# Altium PCB RockerBox_Rev04.PcbDoc (part 7 of 9) (continued)
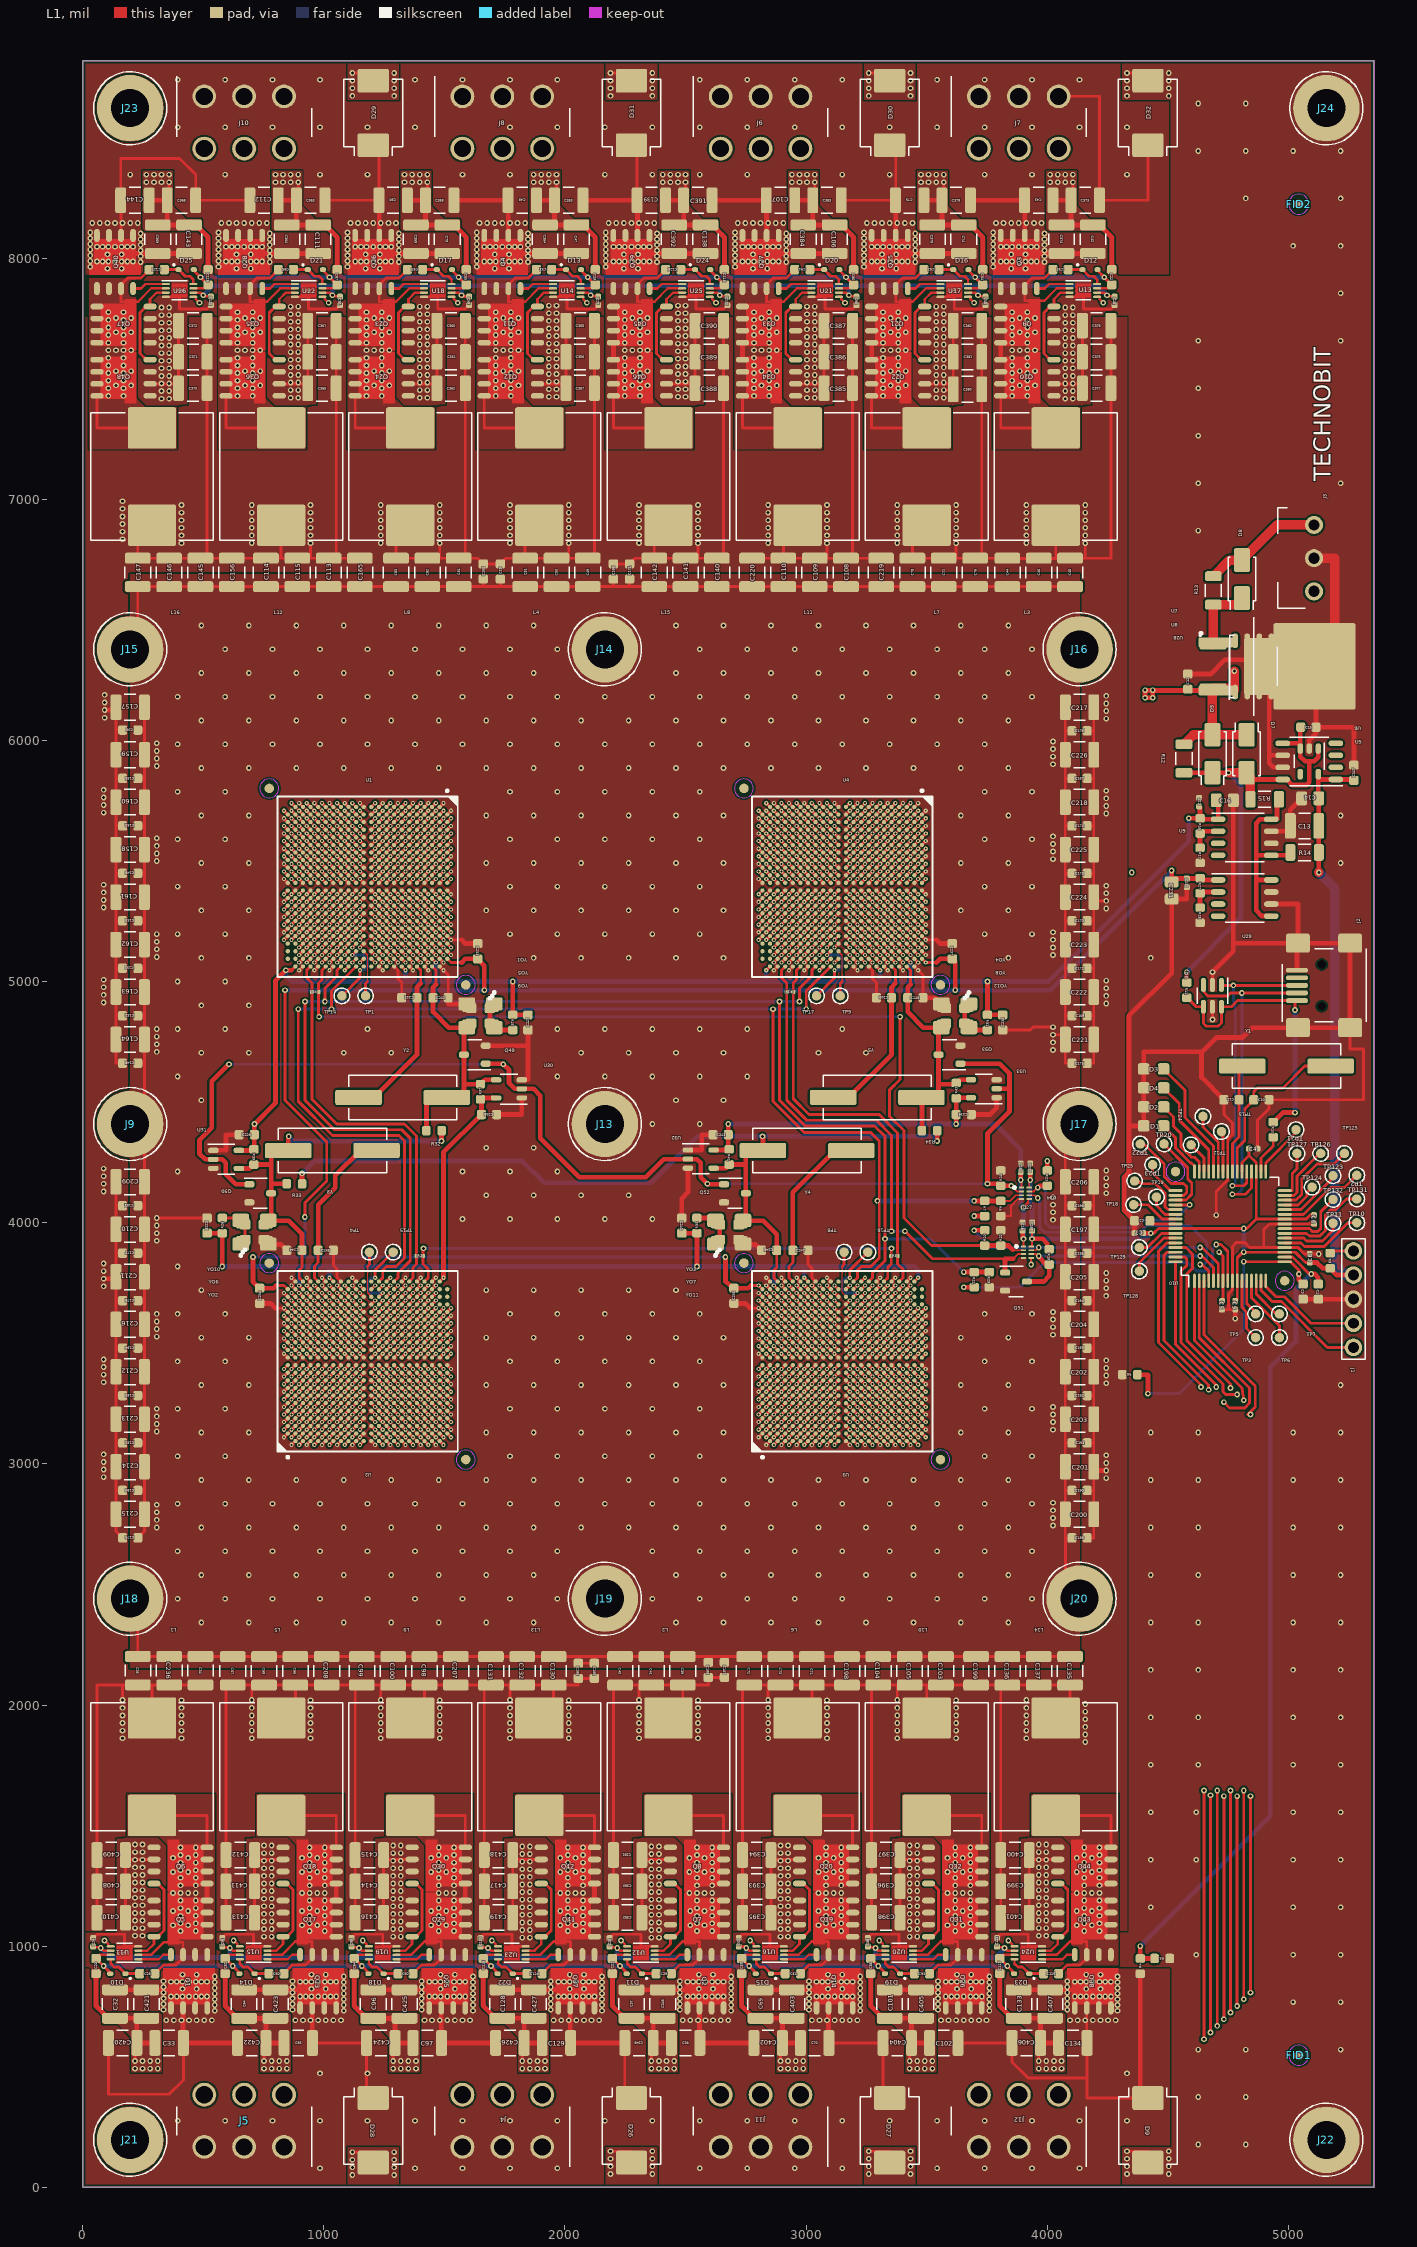
[diagram p0: L1 view]
## Nets (pads, with @x,y where several pads share a name; then routed paths per layer and width w, separated by ;. In a path a pad name is that pad's centre, name@x,y a point inside that pad or via, vN(x,y) a via of type N, cw(c..) or ccw(c..) an arc to the next point about the centre after c; other vN are vias at no path point) (continued)
GREEN: D2.2 U10.47 | length 336.6
  L1 w11.81: D2.2@4482.28,4480.31 4523.62,4438.98 4523.62,4400.22 4555.12,4368.73 4555.12,4314.96 4598.43,4271.65 4610.24,4271.65 4630.22,4251.67 U10.47@4630.22,4211.93
HO1: Q1.4 U11.1 | length 143.4
  L1 w9.84: U11.1@230.31,945.87 314.96,945.87 333.66,964.57
  L1 w11.81: 333.66,964.57 Q1.4@365.96,964.57
HO2: Q13.4 U15.1 | length 143.4
  L1 w9.84: U15.1@765.75,945.87 850.39,945.87 869.09,964.57
  L1 w11.81: 869.09,964.57 Q13.4@901.39,964.57
HO3: Q25.4 U19.1 | length 143.4
  L1 w9.84: U19.1@1301.18,945.87 1385.83,945.87 1404.53,964.57
  L1 w11.81: 1404.53,964.57 Q25.4@1436.83,964.57
HO4: Q37.4 U23.1 | length 143.4
  L1 w9.84: U23.1@1836.61,945.87 1921.26,945.87 1939.96,964.57
  L1 w11.81: 1939.96,964.57 Q37.4@1972.26,964.57
HO5: Q2.4 U12.1 | length 143.4
  L1 w9.84: U12.1@2372.05,945.87 2456.69,945.87 2475.39,964.57
  L1 w11.81: 2475.39,964.57 Q2.4@2507.69,964.57
HO6: Q14.4 U16.1 | length 143.4
  L1 w9.84: U16.1@2907.48,945.87 2992.13,945.87 3010.83,964.57
  L1 w11.81: 3010.83,964.57 Q14.4@3043.13,964.57
HO7: Q26.4 U20.1 | length 143.4
  L1 w9.84: U20.1@3442.91,945.87 3527.56,945.87 3546.26,964.57
  L1 w11.81: 3546.26,964.57 Q26.4@3578.56,964.57
HO8: Q38.4 U24.1 | length 143.4
  L1 w9.84: U24.1@3978.35,945.87 4062.99,945.87 4081.69,964.57
  L1 w11.81: 4081.69,964.57 Q38.4@4113.99,964.57
HO9: Q3.4 U13.1 | length 143.4
  L1 w9.84: 3989.17,7874.02 4007.87,7892.72 U13.1@4092.52,7892.72
  L1 w11.81: Q3.4@3956.87,7874.02 3989.17,7874.02
HO10: Q15.4 U17.1 | length 143.4
  L1 w9.84: 3453.74,7874.02 3472.44,7892.72 U17.1@3557.09,7892.72
  L1 w11.81: Q15.4@3421.44,7874.02 3453.74,7874.02
HO11: Q27.4 U21.1 | length 143.4
  L1 w9.84: 2918.31,7874.02 2937.01,7892.72 U21.1@3021.65,7892.72
  L1 w11.81: Q27.4@2886.01,7874.02 2918.31,7874.02
HO12: Q39.4 U25.1 | length 143.4
  L1 w9.84: 2382.87,7874.02 2401.57,7892.72 U25.1@2486.22,7892.72
  L1 w11.81: Q39.4@2350.57,7874.02 2382.87,7874.02
HO13: Q4.4 U14.1 | length 143.4
  L1 w9.84: 1847.44,7874.02 1866.14,7892.72 U14.1@1950.79,7892.72
  L1 w11.81: Q4.4@1815.14,7874.02 1847.44,7874.02
HO14: Q16.4 U18.1 | length 143.4
  L1 w9.84: 1312.01,7874.02 1330.71,7892.72 U18.1@1415.35,7892.72
  L1 w11.81: Q16.4@1279.71,7874.02 1312.01,7874.02
HO15: Q28.4 U22.1 | length 143.4
  L1 w9.84: 776.57,7874.02 795.28,7892.72 U22.1@879.92,7892.72
  L1 w11.81: Q28.4@744.27,7874.02 776.57,7874.02
HO16: Q40.4 U26.1 | length 143.4
  L1 w9.84: 241.14,7874.02 259.84,7892.72 U26.1@344.49,7892.72
  L1 w11.81: Q40.4@208.84,7874.02 241.14,7874.02
LDO3.3V-5.0V: R14.1 R15.1 U9.5 U9.8 U29.5 U29.8 | length 834.7
  L1 w19.68: U29.5@4929.13,5271.47 4928.95,5271.65 4889.96,5271.65 4866.34,5295.28 4866.34,5421.46 ; U29.8@4929.13,5421.46 4866.34,5421.46 ; R15.1@4960.63,5755.91 4952.95,5755.91 4952.95,5673.43 U9.8@4929.13,5673.43 4882.09,5673.43 4866.34,5657.68 4866.34,5523.44 ; R14.1@5007.87,5535.43 5007.87,5523.44 4866.34,5523.44 ; 4866.34,5421.46 4866.34,5523.44
LDO5.0V: C15.1 D5.1 D7.2 R11.1 R12.2 R15.2 U5.1 U5.3 U6.5 U6.8 | length 2027.9
  L1 w19.68: R12.2@4566.93,5866.14 D5.1@4685.04,5866.14 v1(4751.97,5866.14) ; R11.1@4578.74,4996.06 v1(4578.74,5039.37) ; D7.2@4842.52,5838.39 U6.8@4976.38,5838.39 4992.52,5838.39 5015.94,5814.96 5075,5814.96 5086.81,5826.77 5086.81,5913.39 ; U6.5@4976.38,5988.37 5049.21,5988.37 ; C15.1@5051.18,6055.12 5049.21,6053.15 5049.21,5988.37 ; U5.1@5124.02,5966.54 5124.02,5930.91 5106.5,5913.39 5086.81,5913.39 ; 5049.21,5988.37 U5.3@5049.21,5966.54 5049.21,5933.07 5068.9,5913.39 5086.81,5913.39
  L1 w39.37: v1(4751.97,5866.14) D7.2@4826.77,5866.14 4842.52,5850.39 4842.52,5838.39 R15.2@4842.52,5755.91
  L4 w19.68: v1(4578.74,5039.37) 4803.15,5263.78 4803.15,5814.96 v1(4751.97,5866.14)
LM12V: D8.1 R13.1 U7.1 U8.1 U28.8 | length 408.9
  L1 w11.81: U7.1@4688.98,6413.39 U7.1@4700.79,6413.39 ; U7.1@4700.79,6407.09 U7.1@4700.79,6413.39 ; U28.8@4779.33,6413.39 U7.1@4700.79,6413.39
  L1 w39.37: U8.1@4687.01,6397.24 4688.98,6399.21 4688.98,6413.39 R13.1@4688.98,6562.99 4807.09,6562.99 D8.1@4807.09,6590.55
LO1: Q5.4 Q6.4 U11.3 | length 379.9
  L1 w9.84: U11.3@230.31,981.3 267.72,981.3 295.28,1008.86
  L1 w11.81: 295.28,1008.86 Q5.4@295.28,1039.19 311.02,1039.19 336.61,1064.78 336.61,1234.07 311.02,1259.66 Q6.4@295.28,1259.66
LO2: Q17.4 Q18.4 U15.3 | length 379.9
  L1 w9.84: U15.3@765.75,981.3 803.15,981.3 830.71,1008.86
  L1 w11.81: 830.71,1008.86 Q17.4@830.71,1039.19 846.46,1039.19 872.05,1064.78 872.05,1234.07 846.46,1259.66 Q18.4@830.71,1259.66
LO3: Q29.4 Q30.4 U19.3 | length 379.9
  L1 w9.84: U19.3@1301.18,981.3 1338.58,981.3 1366.14,1008.86
  L1 w11.81: 1366.14,1008.86 Q29.4@1366.14,1039.19 1381.89,1039.19 1407.48,1064.78 1407.48,1234.07 1381.89,1259.66 Q30.4@1366.14,1259.66
LO4: Q41.4 Q42.4 U23.3 | length 379.9
  L1 w9.84: U23.3@1836.61,981.3 1874.02,981.3 1901.57,1008.86
  L1 w11.81: 1901.57,1008.86 Q41.4@1901.57,1039.19 1917.32,1039.19 1942.91,1064.78 1942.91,1234.07 1917.32,1259.66 Q42.4@1901.57,1259.66
LO5: Q7.4 Q8.4 U12.3 | length 379.9
  L1 w9.84: U12.3@2372.05,981.3 2409.45,981.3 2437.01,1008.86
  L1 w11.81: 2437.01,1008.86 Q7.4@2437.01,1039.19 2452.76,1039.19 2478.35,1064.78 2478.35,1234.07 2452.76,1259.66 Q8.4@2437.01,1259.66
LO6: Q19.4 Q20.4 U16.3 | length 379.9
  L1 w9.84: U16.3@2907.48,981.3 2944.88,981.3 2972.44,1008.86
  L1 w11.81: 2972.44,1008.86 Q19.4@2972.44,1039.19 2988.19,1039.19 3013.78,1064.78 3013.78,1234.07 2988.19,1259.66 Q20.4@2972.44,1259.66
LO7: Q31.4 Q32.4 U20.3 | length 379.9
  L1 w9.84: U20.3@3442.91,981.3 3480.31,981.3 3507.87,1008.86
  L1 w11.81: 3507.87,1008.86 Q31.4@3507.87,1039.19 3523.62,1039.19 3549.21,1064.78 3549.21,1234.07 3523.62,1259.66 Q32.4@3507.87,1259.66
LO8: Q43.4 Q44.4 U24.3 | length 379.9
  L1 w9.84: U24.3@3978.35,981.3 4015.75,981.3 4043.31,1008.86
  L1 w11.81: 4043.31,1008.86 Q43.4@4043.31,1039.19 4059.06,1039.19 4084.65,1064.78 4084.65,1234.07 4059.06,1259.66 Q44.4@4043.31,1259.66
LO9: Q9.4 Q10.4 U13.3 | length 379.9
  L1 w9.84: 4027.56,7829.72 4055.12,7857.28 U13.3@4092.52,7857.28
  L1 w11.81: Q10.4@4027.56,7578.92 4011.81,7578.92 3986.22,7604.51 3986.22,7773.8 4011.81,7799.39 Q9.4@4027.56,7799.39 4027.56,7829.72
LO10: Q21.4 Q22.4 U17.3 | length 379.9
  L1 w9.84: 3492.13,7829.72 3519.68,7857.28 U17.3@3557.09,7857.28
  L1 w11.81: Q22.4@3492.13,7578.92 3476.38,7578.92 3450.79,7604.51 3450.79,7773.8 3476.38,7799.39 Q21.4@3492.13,7799.39 3492.13,7829.72
LO11: Q33.4 Q34.4 U21.3 | length 379.9
  L1 w9.84: 2956.69,7829.72 2984.25,7857.28 U21.3@3021.65,7857.28
  L1 w11.81: Q34.4@2956.69,7578.92 2940.94,7578.92 2915.35,7604.51 2915.35,7773.8 2940.94,7799.39 Q33.4@2956.69,7799.39 2956.69,7829.72
LO12: Q45.4 Q46.4 U25.3 | length 379.9
  L1 w9.84: 2421.26,7829.72 2448.82,7857.28 U25.3@2486.22,7857.28
  L1 w11.81: Q46.4@2421.26,7578.92 2405.51,7578.92 2379.92,7604.51 2379.92,7773.8 2405.51,7799.39 Q45.4@2421.26,7799.39 2421.26,7829.72
LO13: Q11.4 Q12.4 U14.3 | length 379.9
  L1 w9.84: 1885.83,7829.72 1913.39,7857.28 U14.3@1950.79,7857.28
  L1 w11.81: Q12.4@1885.83,7578.92 1870.08,7578.92 1844.49,7604.51 1844.49,7773.8 1870.08,7799.39 Q11.4@1885.83,7799.39 1885.83,7829.72
LO14: Q23.4 Q24.4 U18.3 | length 379.9
  L1 w9.84: 1350.39,7829.72 1377.95,7857.28 U18.3@1415.35,7857.28
  L1 w11.81: Q24.4@1350.39,7578.92 1334.65,7578.92 1309.06,7604.51 1309.06,7773.8 1334.65,7799.39 Q23.4@1350.39,7799.39 1350.39,7829.72
LO15: Q35.4 Q36.4 U22.3 | length 379.9
  L1 w9.84: 814.96,7829.72 842.52,7857.28 U22.3@879.92,7857.28
  L1 w11.81: Q36.4@814.96,7578.92 799.21,7578.92 773.62,7604.51 773.62,7773.8 799.21,7799.39 Q35.4@814.96,7799.39 814.96,7829.72
LO16: Q47.4 Q48.4 U26.3 | length 379.9
  L1 w9.84: 279.53,7829.72 307.09,7857.28 U26.3@344.49,7857.28
  L1 w11.81: Q48.4@279.53,7578.92 263.78,7578.92 238.19,7604.51 238.19,7773.8 263.78,7799.39 Q47.4@279.53,7799.39 279.53,7829.72
"MAIN OSC IN": C10.1 U10.39 Y1.1 | length 722.7
  L1 w11.81: U10.39@4787.7,4211.93 4787.7,4309.35 4818.9,4340.55 4818.9,4471.46 4856.3,4508.86 C10.1@4856.3,4509.84 4856.3,4543.31 4872.05,4559.06 4977.35,4559.06 5067.9,4649.61 Y1.1@5175.2,4649.61
"MAIN OSC OUT": C11.1 U10.40 Y1.2 | length 454.7
  L1 w11.81: U10.40@4768.01,4211.93 4768.01,4328.05 4795.28,4355.31 C11.1@4795.28,4509.84 4795.28,4635.83 Y1.2@4809.06,4649.61
MCLR: C5.1 J1.1 R9.1 U10.7 | length 907.7
  L1 w11.81: v1(4712.8,3877.95) 4728.64,3862.11 4728.64,3675.2 C5.1@4724.41,3675.2 ; R9.1@5173.23,3874.02 5182.28,3883.07 J1.1@5269.68,3883.07
  L2 w11.81: v1(4712.8,3877.95) 4751.97,3877.95 4799.21,3925.2 5227.56,3925.2 J1.1@5269.68,3883.07
MCU5.0V: R10.2 U10.34 | length 163.5
  L1 w11.81: U10.34@4886.12,4211.93 4886.12,4268.01 4937.01,4318.9 R10.2@4937.01,4354.33
MEAS12: C1.1 R4.2 R5.2 U10.18 | length 3391.8
  L1 w11.81: U10.18@4984.55,3857.6 5016.42,3857.6 5086.61,3787.4 v1(5094.49,3787.4)
  L1 w19.68: v1(4385.83,1000) R4.2@4385.83,948.82 R5.2@4444.88,948.82 ; v1(5094.49,3787.4) 5108.27,3787.4 5124.02,3771.65 C1.1@5124.02,3746.06
  L4 w19.68: v1(4385.83,1000) 4925.2,1539.37 4925.2,3401.57 5031.5,3507.87 5031.5,3724.41 v1(5094.49,3787.4)
NetR16_2: R16.2 R17.1 U9.2 | length 137.7
  L1 w19.68: R17.1@4633.86,5555.12 R16.2@4633.86,5614.17 4643.11,5623.43 U9.2@4708.66,5623.43
NetR25_2: R25.2 YO1.1 YO1.4 YO5.1 YO5.4 YO9.1 YO9.4 | length 214.8
  L1 w19.68: YO5.4@1698.82,4818.9 YO1.4@1696.85,4818.9 ; YO5.1@1698.82,4897.64 1706.69,4905.51 YO1.1@1706.69,4907.48 1697.83,4898.62 YO9.1@1688.98,4889.76 YO9.4@1688.98,4826.77 YO1.4@1696.85,4818.9 ; R25.2@1783.46,4799.21 1706.69,4799.21 YO1.4@1706.69,4809.06 YO1.4@1696.85,4818.9
NetR26_2: R26.2 YO2.1 YO2.4 YO6.1 YO6.4 YO10.1 YO10.4 | length 220.2
  L1 w11.81: R26.2@578.74,4019.68 645.67,4019.68 YO2.4@655.51,4009.84 ; YO6.1@663.39,3921.26 655.51,3913.39 YO2.1@655.51,3911.42 YO10.1@673.23,3929.13 YO10.4@673.23,3992.13 664.37,4000.98 YO2.4@655.51,4009.84 ; YO6.4@663.39,4000 655.51,4007.87 YO2.4@655.51,4009.84
NetR27_2: R27.2 R28.1 U29.2 | length 136.1
  L1 w19.68: R28.1@4633.86,5307.09 R27.2@4633.86,5366.14 4639.17,5371.46 U29.2@4708.66,5371.46
NetR30_2: R30.2 YO3.1 YO3.4 YO7.1 YO7.4 YO11.1 YO11.4 | length 209
  L1 w19.68: R30.2@2547.24,4019.68 2614.17,4019.68 YO3.4@2624.02,4009.84 ; YO3.1@2624.02,3911.42 YO3.1@2633.86,3921.26 ; YO7.1@2631.89,3921.26 YO3.1@2633.86,3921.26 ; YO7.4@2631.89,4000 2624.02,4007.87 YO3.4@2624.02,4009.84 ; YO3.4@2624.02,4009.84 2632.87,4000.98 2639.76,3994.09 YO11.4@2641.73,3992.13 YO11.1@2641.73,3929.13 YO3.1@2633.86,3921.26
NetR31_2: R31.2 YO4.1 YO4.4 YO8.1 YO8.4 YO12.1 YO12.4 | length 214.8
  L1 w19.68: YO8.4@3667.32,4818.9 YO4.4@3665.35,4818.9 ; YO8.1@3667.32,4897.64 3675.2,4905.51 YO4.1@3675.2,4907.48 3666.34,4898.62 YO12.1@3657.48,4889.76 YO12.4@3657.48,4826.77 YO4.4@3665.35,4818.9 ; R31.2@3751.97,4799.21 3675.2,4799.21 YO4.4@3675.2,4809.06 YO4.4@3665.35,4818.9
NetTP1_1: TP1.1 U1.M20 | length 194.8
  L1 w5.12: 1181.1,5000 1181.1,5110.24
  L1 w5.91: U1.M20@1165.35,5125.98 1181.1,5110.24
  L1 w11.81: TP1.1@1173.23,4940.94 1173.23,4992.13 1181.1,5000
NetTP2_1: TP2.1 U10.27 | length 366.1
  L1 w11.81: U10.27@4984.55,4034.77 5062.99,4034.77 5173.9,4145.67 5232.28,4145.67 TP2.1@5283.46,4196.85
NetTP3_1: TP3.1 U10.11 | length 259.1
  L1 w11.81: U10.11@4807.38,3759.18 4807.38,3649.31 4826.77,3629.92 4826.77,3561.02 TP3.1@4864.17,3523.62
NetTP4_1: TP4.1 U2.M20 | length 194.8
  L1 w5.12: 1181.1,3708.66 1181.1,3791.34
  L1 w5.91: 1181.1,3708.66 U2.M20@1196.85,3692.91 ; 1181.1,3791.34 1181.1,3818.9
  L1 w11.81: 1181.1,3818.9 1188.98,3826.77 TP4.1@1188.98,3877.95
NetTP5_1: TP5.1 U10.12 | length 153
  L1 w11.81: U10.12@4827.07,3759.18 4827.07,3665.35 4864.17,3629.92 TP5.1@4864.17,3622.05
NetTP6_1: TP6.1 U10.13 | length 283.5
  L1 w11.81: U10.13@4846.75,3759.18 4846.75,3688.68 4962.6,3572.83 TP6.1@4962.6,3523.62
NetTP7_1: TP7.1 U10.14 | length 185
  L1 w11.81: U10.14@4866.44,3759.18 4866.44,3704.43 4948.82,3622.05 TP7.1@4962.6,3622.05
NetTP8_1: TP8.1 U3.M20 | length 194.8
  L1 w5.12: 3149.61,3791.34 3149.61,3708.66 U3.M20@3165.35,3692.91
  L1 w5.91: 3149.61,3791.34 3149.61,3818.9
  L1 w11.81: 3149.61,3818.9 3157.48,3826.77 TP8.1@3157.48,3877.95
NetTP9_1: TP9.1 U4.M20 | length 194.8
  L1 w5.12: 3149.61,5027.56 3149.61,5110.24
  L1 w5.91: U4.M20@3133.86,5125.98 3149.61,5110.24 ; 3149.61,5000 3149.61,5027.56
  L1 w11.81: TP9.1@3141.73,4940.94 3141.73,4992.13 3149.61,5000
NetTP10_1: TP10.1 U10.21 | length 345.9
  L1 w11.81: U10.21@4984.55,3916.66 5051.85,3916.66 5066.93,3901.57 5148.62,3901.57 5247.05,4000 TP10.1@5283.46,4000
NetTP11_1: TP11.1 U10.22 | length 252.9
  L1 w11.81: U10.22@4984.55,3936.34 5063.66,3936.34 5075.2,3924.8 5141.34,3924.8 5185.04,3968.5 TP11.1@5185.04,3998.03
NetTP12_1: TP12.1 U10.43 | length 255.2
  L1 w11.81: TP12.1@4645.67,4440.94 4645.67,4397.64 4708.96,4334.35 U10.43@4708.96,4211.93
NetTP13_1: TP13.1 U10.42 | length 168.6
  L1 w11.81: TP13.1@4722.44,4377.95 4728.64,4371.75 U10.42@4728.64,4211.93
NetTP14_1: TP14.1 U1.N20 | length 298.6
  L1 w11.81: TP14.1@1074.8,4940.94 1149.61,5015.75 v2(1149.61,5047.24) ; v2(1118.11,5110.24) U1.N20@1133.86,5125.98
  L4 w11.81: v2(1118.11,5110.24) 1165.35,5110.24 1181.1,5094.49 1181.1,5062.99 1165.35,5047.24 v2(1149.61,5047.24)
NetTP15_1: TP15.1 U2.N20 | length 298.6
  L1 w11.81: v2(1212.6,3771.65) 1212.6,3803.15 TP15.1@1287.4,3877.95 ; U2.N20@1228.35,3692.91 v2(1244.09,3708.66)
  L4 w11.81: v2(1212.6,3771.65) 1196.85,3771.65 1181.1,3755.91 1181.1,3724.41 1196.85,3708.66 v2(1244.09,3708.66)
NetTP16_1: TP16.1 U3.N20 | length 298.6
  L1 w11.81: v2(3181.1,3771.65) 3181.1,3803.15 TP16.1@3255.91,3877.95 ; U3.N20@3196.85,3692.91 v2(3212.6,3708.66)
  L4 w11.81: v2(3181.1,3771.65) 3165.35,3771.65 3149.61,3755.91 3149.61,3724.41 3165.35,3708.66 v2(3212.6,3708.66)
NetTP17_1: TP17.1 U4.N20 | length 298.6
  L1 w11.81: TP17.1@3043.31,4940.94 3118.11,5015.75 v2(3118.11,5047.24) ; v2(3086.61,5110.24) U4.N20@3102.36,5125.98
  L4 w11.81: v2(3086.61,5110.24) 3133.86,5110.24 3149.61,5094.49 3149.61,5062.99 3133.86,5047.24 v2(3118.11,5047.24)
NetTP18_1: TP18.1 U10.55 | length 198.3
  L1 w11.81: TP18.1@4358.27,4074.8 4417.32,4074.8 4477.05,4015.08 U10.55@4531.79,4015.08
NetTP19_1: TP19.1 U10.54 | length 129.6
  L1 w11.81: TP19.1@4452.76,4106.3 4452.51,4106.06 4452.51,4071.11 4488.86,4034.77 U10.54@4531.79,4034.77
NetTP20_1: TP20.1 U10.51 | length 333.6
  L1 w11.81: TP20.1@4484.25,4326.77 4582.68,4228.35 4582.71,4181.13 4599.09,4164.82 4599.09,4118.11 4574.8,4093.82 U10.51@4531.79,4093.82
NetTP21_1: TP21.1 U10.33 | length 226
  L1 w11.81: U10.33@4905.81,4211.93 4905.81,4248.33 5031.5,4374.02 TP21.1@5031.5,4385.83
NetTP22_1: TP22.1 U10.50 | length 372
  L1 w11.81: TP22.1@4385.83,4326.77 4401.57,4326.77 4485.24,4243.11 4485.24,4191.93 4513.78,4163.39 4564.96,4163.39 4578.74,4149.61 4578.74,4125.98 4566.26,4113.51 U10.50@4531.79,4113.51